# Altium PCB MAIN.PcbDoc
Units mm, origin at the board's own origin, x right, y up, seen from the top; angles counter-clockwise.
Board outline 150.2 x 100.2 mm, 2 copper layers (Top Layer, Bottom Layer); 97 components, 70 nets, 284 pads, 50 vias.
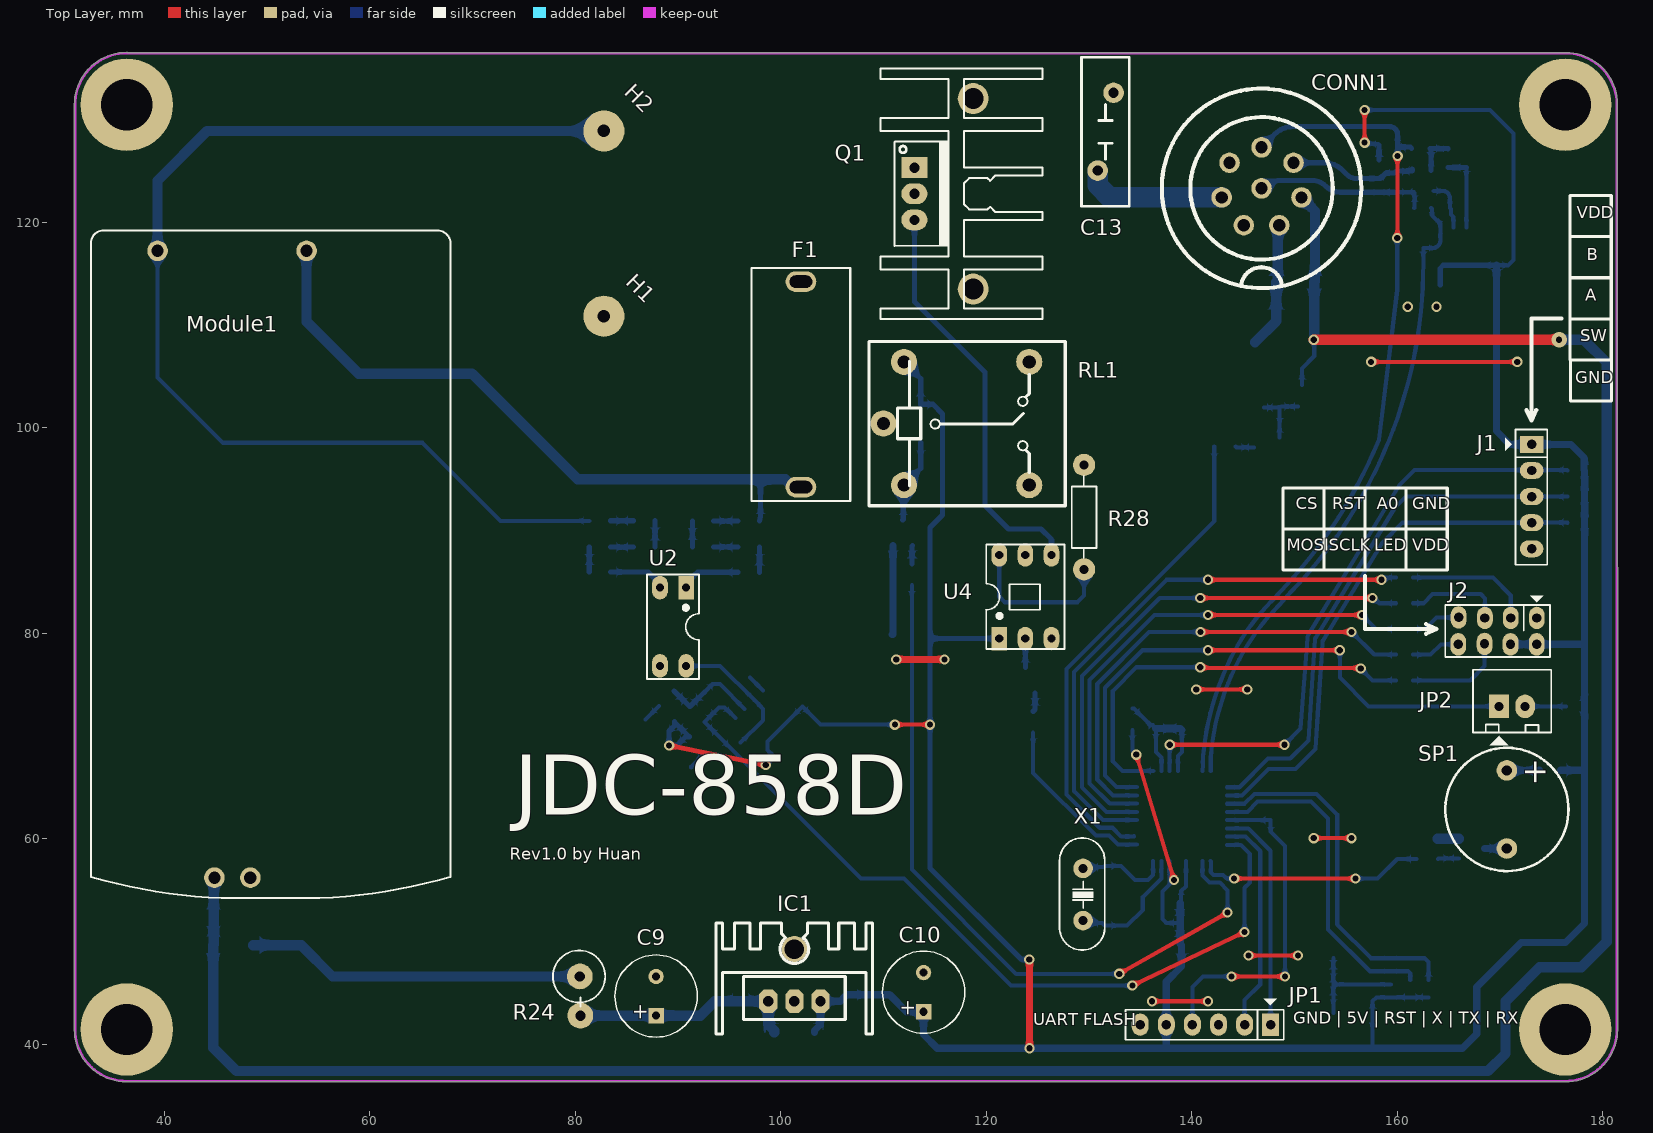
[diagram p0: Top Layer view]
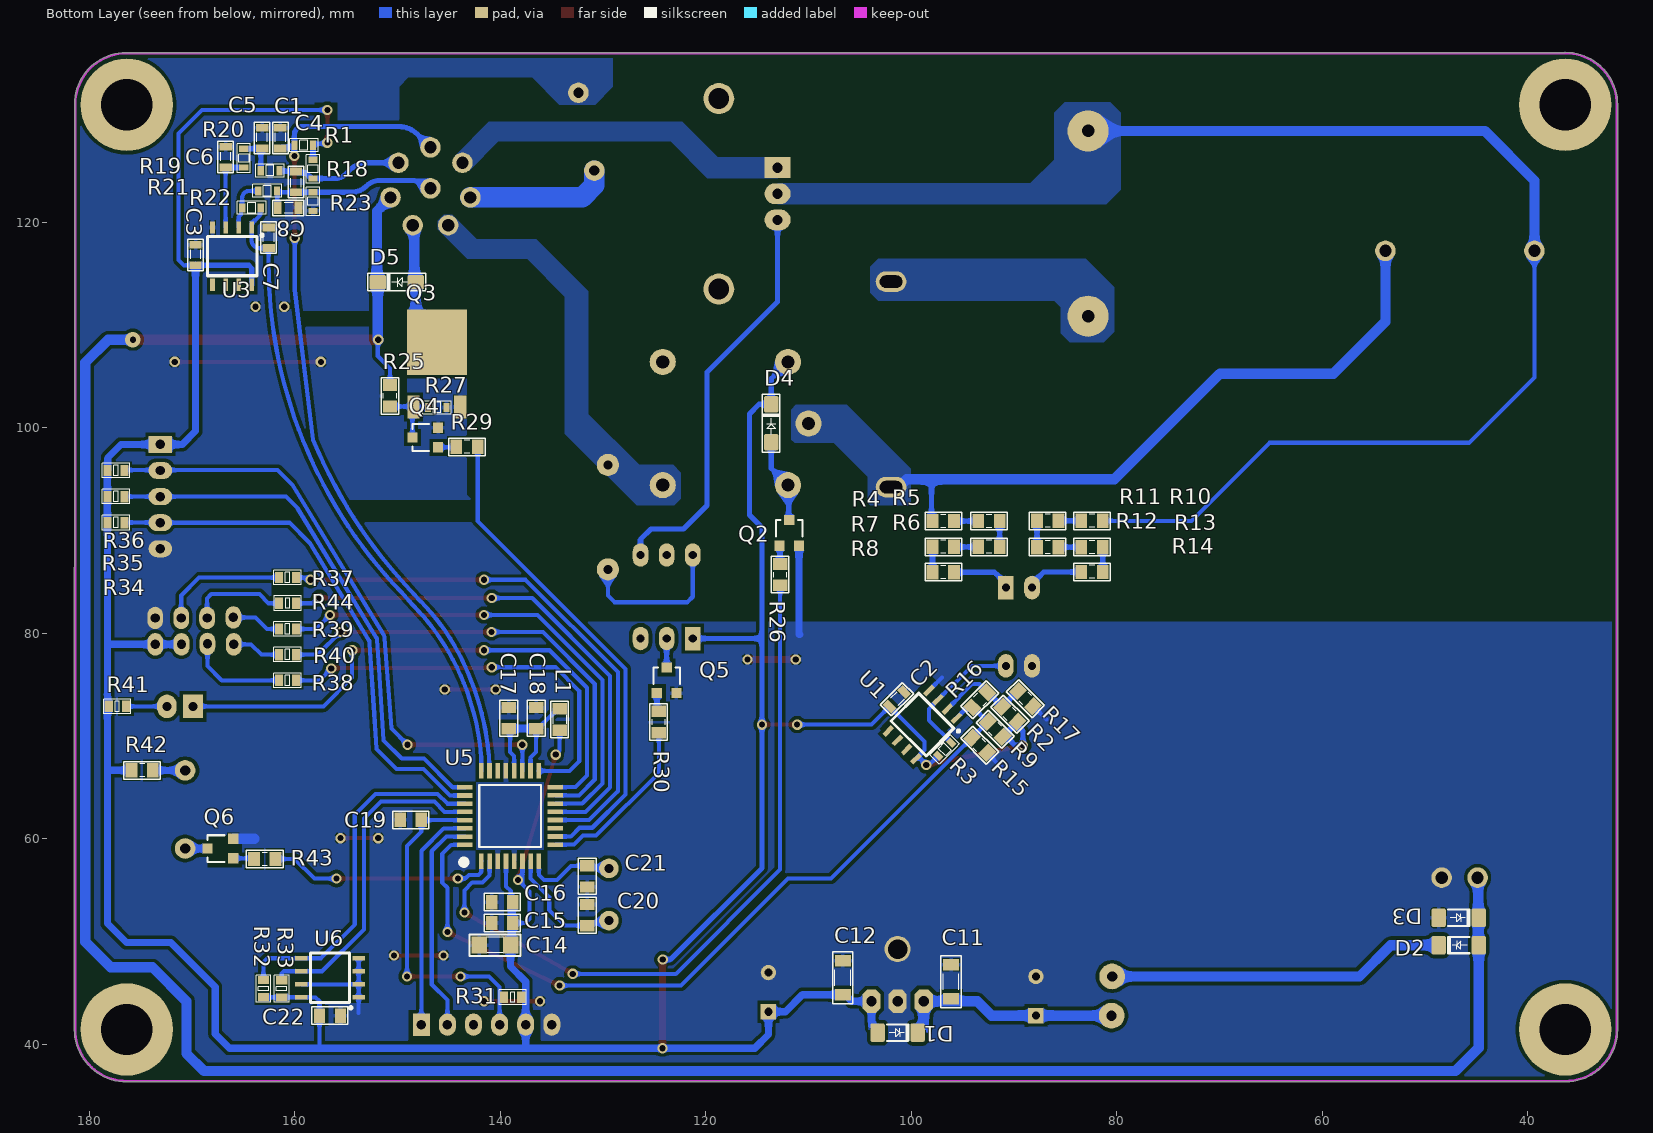
[diagram p1: Bottom Layer view, seen from below]
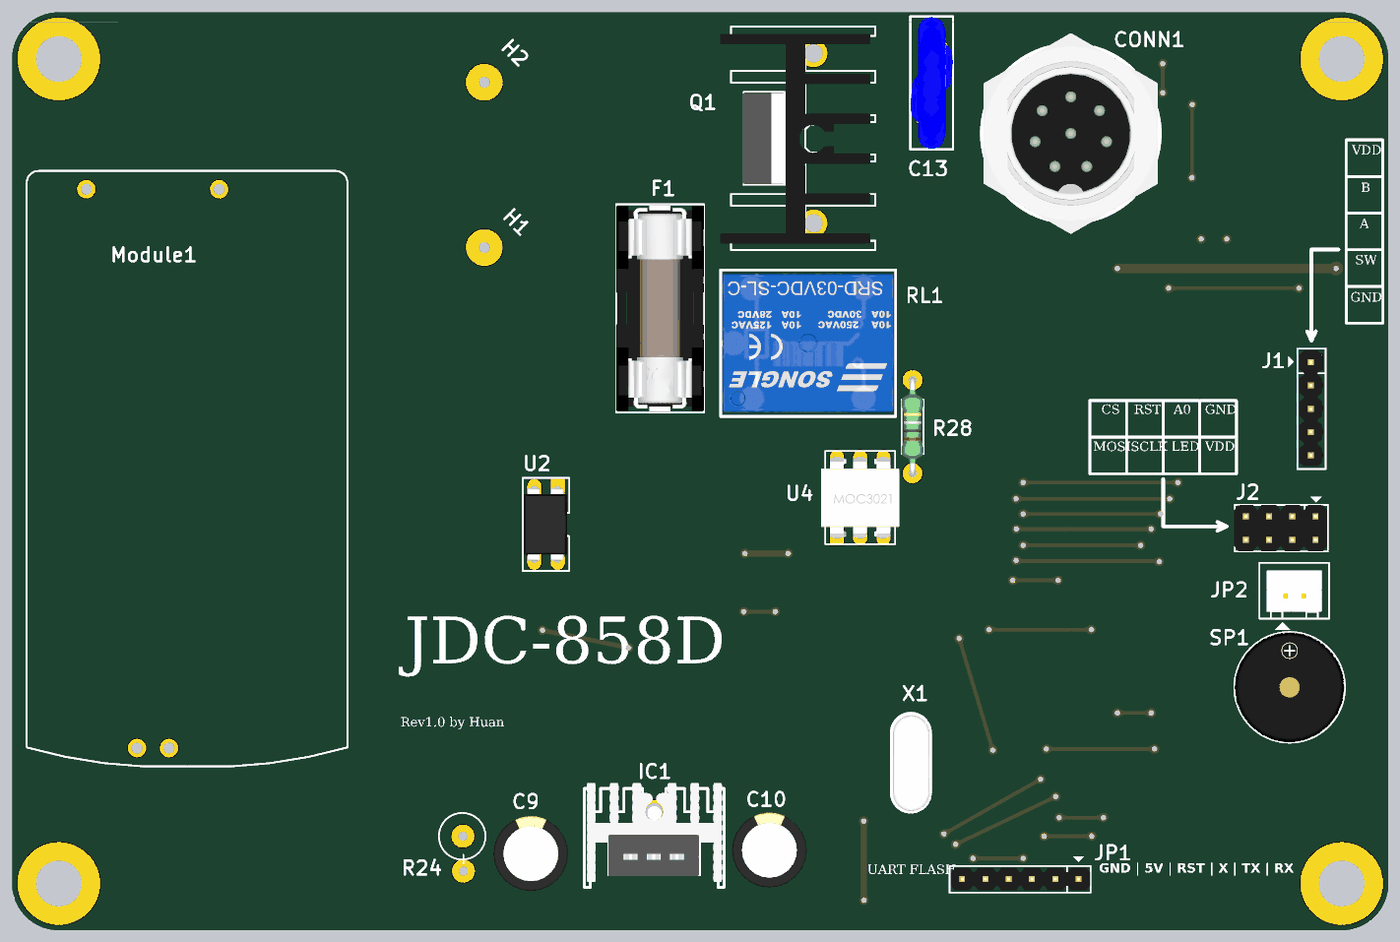
[diagram p2: 3D render of the assembled board from above, using the file's embedded part models]
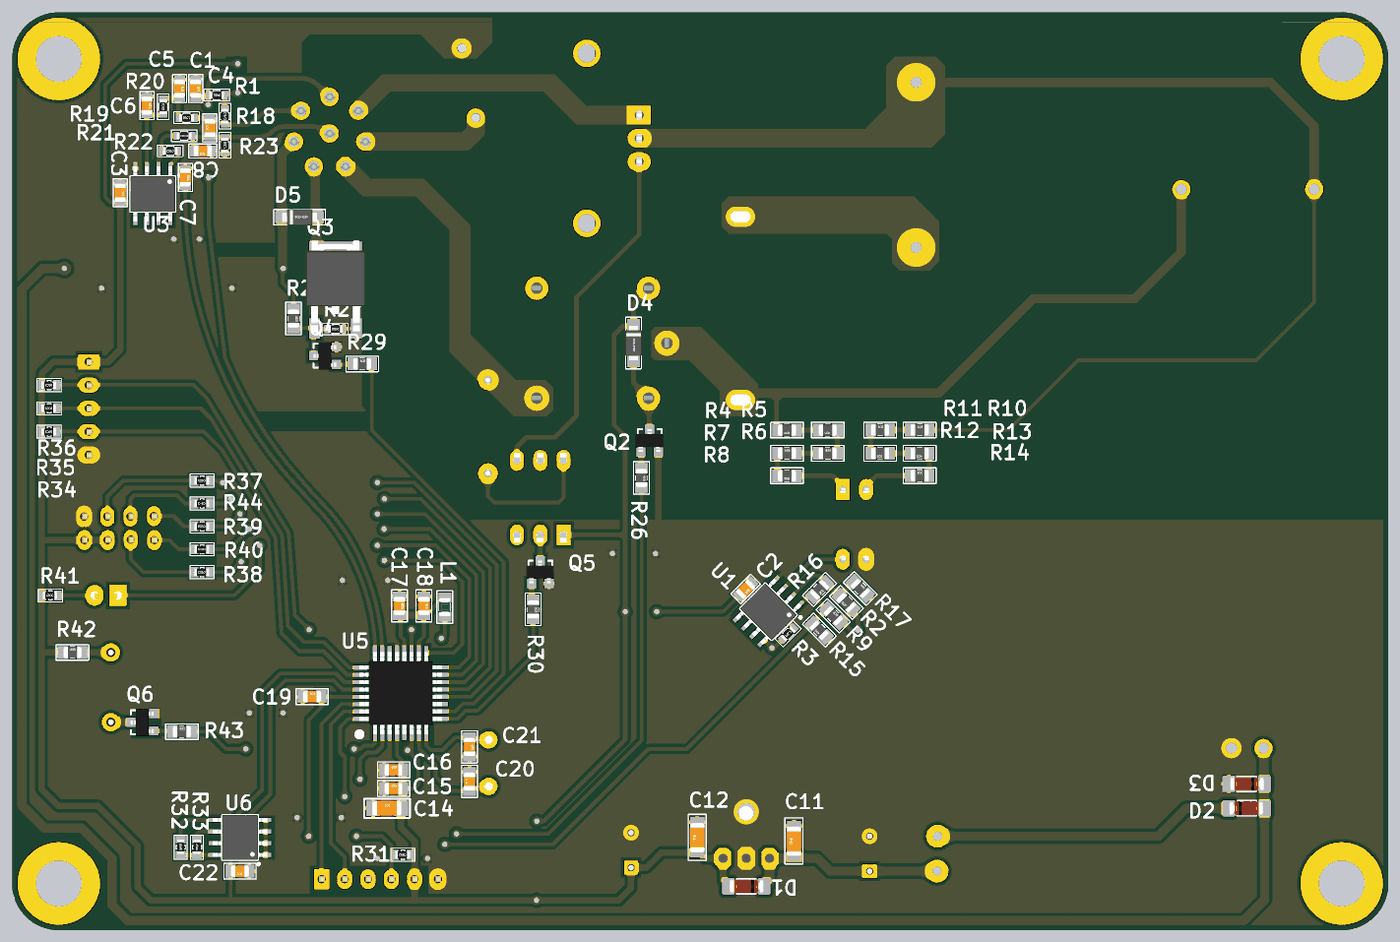
[diagram p3: 3D render of the assembled board from below, using the file's embedded part models]

## Layer stack, top to bottom
Top Solder: solder mask 0.0102, Solder Resist, Dk 3.5
Top Layer: signal copper 0.0356
Dielectric 1: dielectric 0.32, FR-4, Dk 4.8
Bottom Layer: signal copper 0.0356
Bottom Solder: solder mask 0.0102, Solder Resist, Dk 3.5

## Board outline
36.302,36.349 36.369,36.349 176.367,36.349 ccw(c176.368,41.45) 181.469,41.449 181.455,131.503 ccw(c176.424,131.503) 176.424,136.534 36.422,136.534 ccw(c36.369,136.449) 36.369,136.549 ccw(c36.369,131.449) 31.269,131.449 31.269,41.449 ccw(c36.369,41.449)

## Design rules (kind name [scope] priority, off if disabled: settings)
Clearance [All] p1: gap=0.35 ignorepadtopadclearanceinfootprint=FALSE
PolygonConnect [All] p1: thpad.connectstyle=Direct thpad.reliefconductorwidth=1 thpad.reliefentries=4 thpad.polygonreliefangle="90 Angle" thpad.airgapwidth=0.2 smdpad.connectstyle=Relief smdpad.reliefconductorwidth=0.4 smdpad.reliefentries=4 smdpad.polygonreliefangle="90 Angle" smdpad.airgapwidth=0.1 via.connectstyle=Relief via.reliefconductorwidth=0.5 via.reliefentries=4 via.polygonreliefangle="90 Angle" via.airgapwidth=0.1
RoutingVias [All] p1: holewidth=0.711 width=1.27 viastyle="Through Hole" minholewidth=0.711 minwidth=1.27 maxholewidth=0.711 maxwidth=1.27
SolderMaskExpansion [All] p1: expansion=0.102 istentingtop=FALSE
Width [All] p1: maxlimit=3 minlimit=0.35 preferedwidth=0.4
30 further rules are at their usual default settings.

## Classes and differential pairs
component class SENSOR: C1 C2 C3 C4 C5 C6 C7 C8 R1 R2 R3 R4 R5 R6 R7 R8 R9 R10 R11 R12 R13 R14 R15 R16 R17 R18 R19 R20 R21 R22 R23 U1 U2 U3
component class POWER_SUPPLY: C9 C10 C11 C12 C13 CONN1 D1 D2 D3 D4 D5 F1 H1 H2 IC1 Module1 Q1 Q2 Q3 Q4 Q5 R24 R25 R26 R27 R28 R29 R30 RL1 U4
component class MCU_ATMEGA328P: C14 C15 C16 C17 C18 C19 C20 C21 C22 J2 JP1 JP2 L1 Q6 R31 R32 R33 R37 R38 R39 R40 R41 R42 R43 R44 SP1 U5 U6 X1

## Components (designator, comment, footprint, x,y, rotation, side; value= is the part's Value field where it differs from the comment)
C1 "NC" SM-CAP-0805 161.417,129.366 r270 bottom value=0,1uF/300V
C2 "100nF" SM-CAP-0805 100.603,74.403 r315 bottom value=0,1uF/300V
C3 "100nF" SM-CAP-0805 169.672,117.983 r270 bottom value=0,1uF/300V
C4 "1uF" SM-CAP-0805 159.893,122.784 r90 bottom value=0,1uF/300V
C5 "100nF" SM-CAP-0805 163.195,129.366 r270 bottom value=0,1uF/300V
C6 "33nF" SM-CAP-0805 166.751,127.508 r270 bottom value=0,1uF/300V
C7 "100nF" SM-CAP-0805 162.56,119.659 r270 bottom value=0,1uF/300V
C8 "100nF" SM-CAP-0805 159.512,121.412 r0 bottom value=0,1uF/300V
C9 "220uF" C8MM 87.884,44.704 r90 top value=?
C10 "220uF" C8MM 113.919,45.085 r90 top value=?
C11 "100nF" SM-Cap-1206 96.139,44.45 r90 bottom value=0,1uF/300V
C12 "100nF" SM-Cap-1206 106.68,44.831 r90 bottom value=0,1uF/300V
C13 "MOV" 14D271K 131.572,128.905 r0 top
C14 "2.2uF" CN-SMD-1206 140.538,49.657 r180 bottom value=0,1uF/300V
C15 "0.1uF" CN-SMD-0805 139.827,51.816 r180 bottom value=0,1uF/300V
C16 "0.1uF" CN-SMD-0805 139.827,53.848 r180 bottom value=0,1uF/300V
C17 "0.1uF" CN-SMD-0805 139.192,71.755 r270 bottom value=0,1uF/300V
C18 "0.1uF" CN-SMD-0805 136.525,71.755 r270 bottom value=0,1uF/300V
C19 "1uF" CN-SMD-0805 148.726,61.849 r180 bottom value=0,1uF/300V
C20 "18pF" CN-SMD-0805 131.549,52.586 r90 bottom value=0,1uF/300V
C21 "18pF" CN-SMD-0805 131.549,56.352 r270 bottom value=0,1uF/300V
C22 "0.1uF" CN-SMD-0805 156.591,42.799 r0 bottom value=0,1uF/300V
CONN1 "GX-16 CONNECTOR" GX-16 146.812,123.317 r90 top
D1 "1N4007" DO-213AA 101.346,41.148 r180 bottom
D2 "1N4007" DO-213AA 46.736,49.657 r0 bottom
D3 "1N4007" DO-213AA 46.736,52.324 r180 bottom
D4 "T4" SOD123 113.646,100.446 r270 bottom value=1N5007
D5 "T4" SOD123 150.094,114.179 r180 bottom value=1N5007
F1 "FUSE" "FUSE 5X20MM" 101.981,104.234 r270 top
H1 "JP1P" PW-JP#1 82.804,75.223 r90 top
H2 "JP1P" PW-JP#2 84.215,128.905 r90 top
IC1 "LM7805" QTO-220H3 98.806,44.196 r0 top
J1 "ROTARY ENCODER" JP5 173.101,98.393 r270 top
J2 "TFT 1.8 Inch" JP4x2 169.786,80.245 r180 top value="Connector 4x2"
JP1 "JP6 PIN" JP6 147.701,41.919 r180 top value=JP7
JP2 "LED1" CON2 169.926,72.898 r0 top value="Connector 2"
L1 "10nH" IN-SMD-0805 134.239,71.628 r270 bottom value="150 mH"
Module1 "AC DC Powersupply" VNPT_ADAPTER 50.8,82.296 r0 top
Q1 "BTA16/800" TO220H2 113.03,122.787 r270 top
Q2 "J3Y" SOT23B 111.887,89.789 r180 bottom value=C1815
Q3 "MOSFET" TO-252 146.177,108.331 r180 bottom
Q4 "J3Y" SOT23B 147.32,99.06 r90 bottom value=C1815
Q5 "J3Y" SOT23B 123.825,75.438 r180 bottom value=C1815
Q6 "J3Y" SOT23B 167.259,59.055 r90 bottom value=C1815
R1 "150K" RES-SMD-0603#1 159.131,127.508 r0 bottom
R2 "100K" RES-SMD-0805 90.424,72.136 r45 bottom
R3 "33K" RES-SMD-0603#1 96.774,68.707 r135 bottom
R4 "10K" RES-SMD-0805 96.901,90.932 r0 bottom
R5 "10K" RES-SMD-0805 92.456,90.932 r0 bottom
R6 "10K" RES-SMD-0805 92.456,88.417 r180 bottom
R7 "10K" RES-SMD-0805 96.901,88.417 r180 bottom
R8 "10K" RES-SMD-0805 96.901,85.954 r0 bottom
R9 "10K" RES-SMD-0805 91.845,70.675 r225 bottom
R10 "10K" RES-SMD-0805 82.423,90.957 r180 bottom
R11 "10K" RES-SMD-0805 86.741,90.957 r180 bottom
R12 "10K" RES-SMD-0805 86.741,88.392 r0 bottom
R13 "10K" RES-SMD-0805 82.423,88.392 r0 bottom
R14 "10K" RES-SMD-0805 82.423,85.979 r180 bottom
R15 "1M" RES-SMD-0805 93.37,69.113 r45 bottom
R16 "100K" RES-SMD-0805 93.345,73.533 r315 bottom
R17 "5K" RES-SMD-0805 88.9,73.66 r225 bottom
R18 "820" RES-SMD-0603#1 158.242,125.206 r270 bottom
R19 "10K" RES-SMD-0603#1 162.433,125.036 r180 bottom
R20 "57K" RES-SMD-0603#1 164.973,126.238 r90 bottom
R21 "10K" RES-SMD-0603#1 162.687,123.063 r180 bottom
R22 "100K" RES-SMD-0603#1 164.211,121.412 r0 bottom
R23 "100R" RES-SMD-0603#1 158.242,122.047 r270 bottom
R24 "6.8R/2W" R2WD 80.518,41.529 r90 top
R25 "580R" RES-SMD-0805 150.749,103.124 r270 bottom
R26 "1K" RES-SMD-0805 112.776,85.725 r270 bottom
R27 "10K" RES-SMD-0603#1 146.177,101.981 r180 bottom
R28 "470R/0.25W" RES-1/4W 129.54,91.313 r270 top
R29 "1K" RES-SMD-0805 143.256,98.171 r180 bottom
R30 "1K" RES-SMD-0805 124.587,71.374 r270 bottom
R31 "10K" RES-SMD-0603#2 138.811,44.586 r0 bottom
R32 "10K" RES-SMD-0603#2 163.068,45.415 r90 bottom
R33 "10K" RES-SMD-0603#2 161.29,45.41 r90 bottom
R34 "12K" RES-SMD-0603#2 177.419,90.773 r0 bottom
R35 "12K" RES-SMD-0603#2 177.419,93.313 r0 bottom
R36 "12K" RES-SMD-0603#2 177.419,95.853 r0 bottom
R37 "22R" RES-SMD-0603#2 160.725,85.431 r0 bottom
R38 "22R" RES-SMD-0603#2 160.725,75.431 r0 bottom
R39 "22R" RES-SMD-0603#2 160.725,80.431 r0 bottom
R40 "22R" RES-SMD-0603#2 160.725,77.931 r0 bottom
R41 "2.2K" RES-SMD-0603#2 177.292,72.898 r0 bottom
R42 "3R3" RES-SMD-0805 174.879,66.675 r180 bottom
R43 "1K" RES-SMD-0805 162.941,58.039 r180 bottom
R44 "22R" RES-SMD-0603#2 160.725,82.931 r0 bottom
RL1 "Relay" RL-05VDC-10A 110.006,100.426 r0 top value="Relay SPDT, 10A, 12V"
SP1 "Buzzer" BUZZER 170.688,62.865 r180 top
U1 "LM339" SOP-8 98.933,71.12 r315 bottom
U2 "PC817" PC817 90.805,84.455 r180 top
U3 "MCP6002" SOP-8 166.116,116.713 r270 bottom
U4 "MOC3021" "DIP6/W0.3 - MOC3021" 121.285,79.756 r0 top
U5 "ATMEGA328P" TQFP-32 139.065,62.23 r90 bottom
U6 "24C02" SOP-8 156.591,46.482 r0 bottom
X1 "16Mhz" XT-49S/DIP 129.441,54.586 r90 top value=4Mhz

## Footprints (in the part's own frame and the unit in brackets; to place one, negate y for a bottom-side part, rotate by r counter-clockwise, add the part's x,y. Pads: shape width x height; smd on the part's side, far side on the other; paste and mask are expansions set on the pad)
14D271K [mm]
  round 2 hole 1: 1(-0.711,-3.861) 2(0.838,3.708)
  silkscreen extent -2.28,-7.32 2.38,7.17, body extent -2.28,-7.32 2.38,7.17, height 17.5
BUZZER [mm]
  round 2 hole 1: 1(0,-3.8) 2(0,3.8)
  silkscreen extent -6,-6 6,6, body extent -6,-6 6,6, height 9.5
C8MM [mm]
  rect 1.5x1.5 hole 0.8: 1(-1.905,0)
  round 1.5 hole 0.8: 2(1.905,0)
  silkscreen extent -4,-4 4,4, body extent -4.1,-4.1 4.1,4.1, height 14.4
CN-SMD-0805 [mm]
  rect 1.1x1.4 smd: 1(-1.025,0) 2(1.025,0)
  silkscreen extent -1.75,-0.86 1.75,0.86, body extent -1,-0.63 1,0.62, height 0.8
CN-SMD-1206 [mil]
  rect 60x65 smd: 1(-60,0) 2(60,0)
  silkscreen extent -98,-41 98,41, body extent -64,-31 62,31, height 40
CON2 [mil] "CON2"
  rect 75x90 hole 34: 1(0,0)
  oval 75x90 hole 34: 2(100,0)
  silkscreen extent -100,-150 200,140, body extent -68,-70 168,107, height 236
"DIP6/W0.3 - MOC3021" [mil]
  rect 60x90 hole 31.5: 1(0,-10)
  oval 60x90 hole 31.5: 2(100,-10) 3(200,-10) 4(200,310) 5(100,310) 6(0,310)
  silkscreen extent -50,-50 250,350, body extent -67,-42 267,343, height 177
DO-213AA [mm]
  rrect25% 1.4x1.8 smd: A(-1.95,0) K(1.95,0)
  silkscreen extent -1.04,-0.81 1.04,0.79, body extent -1.8,-0.8 1.9,0.8, height 1.63
"FUSE 5X20MM" [mm]
  oval 2x3 hole 1.2 slot 2.2 at 90 deg: 1(-10,0) 2(10,0)
  silkscreen extent -11.35,-4.8 11.35,4.8, body extent -11.35,-4.8 11.35,4.8, height 12
GX-16 [mm]
  round 2 hole 1.2: 1(-3.59,1.729) 2(-0.887,3.885) 3(2.485,3.116) 4(3.985,0) 5(2.485,-3.116) 6(-0.887,-3.885) 7(-3.591,-1.729) 8(0,0)
  silkscreen extent -9.71,-9.71 9.71,9.71, body extent -10.97,-9.5 10.97,9.5, height 16
IN-SMD-0805 [mm]
  rect 1.1x1.397 smd: 1(-1.051,0) 2(1.051,0)
  silkscreen extent -1.78,-0.86 1.78,0.84, body extent -1,-0.62 1,0.63, height 0.61
JP4x2 [mil] "Connector 4x2"
  oval 60x86 hole 36: 1(-150.5,-49.5) 2(-50.5,-49.5) 3(48.5,-49.5) 4(149.5,-51.5) 5(-149.5,51.5) 6(-49.5,51.5) 7(50,50) 8(150.5,51.5)
  silkscreen extent -201,-135 200,101, body extent -197,-100 203,100, height 335
JP5 [mil] "JP5"
  rect 65x90 hole 36: 1(0,0)
  oval 65x90 hole 36: 2(100,0) 3(200,0) 4(300,0) 5(400,0)
  silkscreen extent -57,-101 461,60, body extent -48,-53 448,45, height 323
JP6 [mil] "JP6"
  rect 65x85 hole 36: 1(0,0)
  oval 65x85 hole 36: 2(100,0) 3(200,0) 4(300,0) 5(400,0) 6(500,0)
  silkscreen extent -50,-99 556,58, body extent -48,-50 548,48, height 323
PC817 [mil] "4 PIN, W 300mil, Pin to pin 100mil"
  rect 60x90 hole 31: 1(0,0)
  oval 60x90 hole 31: 2(100,0) 3(100,300) 4(0,300)
  silkscreen extent -50,-50 150,350, body extent -40,-5 146,305, height 185
PW-JP#1 [mm]
  round 4 hole 1.2: 1(35.648,0)
PW-JP#2 [mm]
  round 4 hole 1.2: 1(0,1.411)
QTO-220H3 [mil] "TO-220 1-2-3"
  oct 70x90 hole 40: 1(0,0) 2(100,0) 3(200,0)
  round 100 hole 75: 2(100,200)
  silkscreen extent -200,-125 400,300, body extent -190,-102 392,323, height 984
R2WD [mm] "R2W, 2 pin, 700mil"
  round 2.5 hole 1: 1(1.27,0) 2(5.08,0.051)
  silkscreen extent 2.16,-2.41 7.62,2.67
RES-1/4W [mil]
  round 85 hole 35: 1(-200,0) 2(200,0)
  silkscreen extent -158,-47 156,47, body extent -212,-47 212,47, height 95
RES-SMD-0603#1 [mm]
  rect 0.6x0.9 smd: 1(-0.889,0) 2(0.927,0)
  silkscreen extent -1.4,-0.64 1.4,0.64, body extent -0.8,-0.4 0.8,0.4, height 0.43
RES-SMD-0603#2 [mm]
  rect 0.8x1.1 smd: 1(-0.838,0) 2(0.838,0)
  silkscreen extent -1.32,-0.71 1.32,0.71, body extent -0.75,-0.4 0.85,0.4, height 0.43
RES-SMD-0805 [mm]
  rect 1.15x1.397 smd: 1(-1.043,0) 2(1.043,0)
  silkscreen extent -1.78,-0.86 1.78,0.84, body extent -1,-0.62 1,0.63, height 0.8
RL-05VDC-10A [mm] "Relay SPDT, 5 pin, 10A,W 650mil, L 800mil, H 800mil"
  round 2.54 hole 1.27: 1(0,0) 2(14.2,6) 3(14.2,-6) 4(2,-6) 5(2,6)
  silkscreen extent -1.4,-8 17.7,8, body extent -1.21,-7.51 17.48,7.57, height 15.45
SM-CAP-0805 [mil]
  rect 30x47.24 smd: 1(6,0) 2(85,0)
  silkscreen extent -15,-30 105,30, body extent 6,-25 84,25, height 31
SM-Cap-1206 [mm]
  rect 1.1x1.55 smd: 1(0,0) 2(3.302,0)
  silkscreen extent -0.86,-0.97 4.17,0.99, body extent 0.03,-0.8 3.23,0.8, height 1.02
SOD123 [mm] "SOD-123; 2 Leads; Body 2.7 x 1.6 mm, (LxW)"
  rrect25% 1.6x1.4 smd: A(1.85,0) K(-1.85,0)
  silkscreen extent -2.82,-0.85 2.82,0.85, body extent -1.9,-0.9 1.9,0.9, height 1.02